# Altium PCB R100.230.030.001-00 ControlVR.PcbDoc (part 3 of 5)
Units mm, origin at the board's own origin, x right, y up, seen from the top; angles counter-clockwise.
Board outline 150 x 170 mm, 2 copper layers (Top, Bottom), stack 1.571 mm thick; 497 components, 319 nets, 1589 pads, 832 vias.
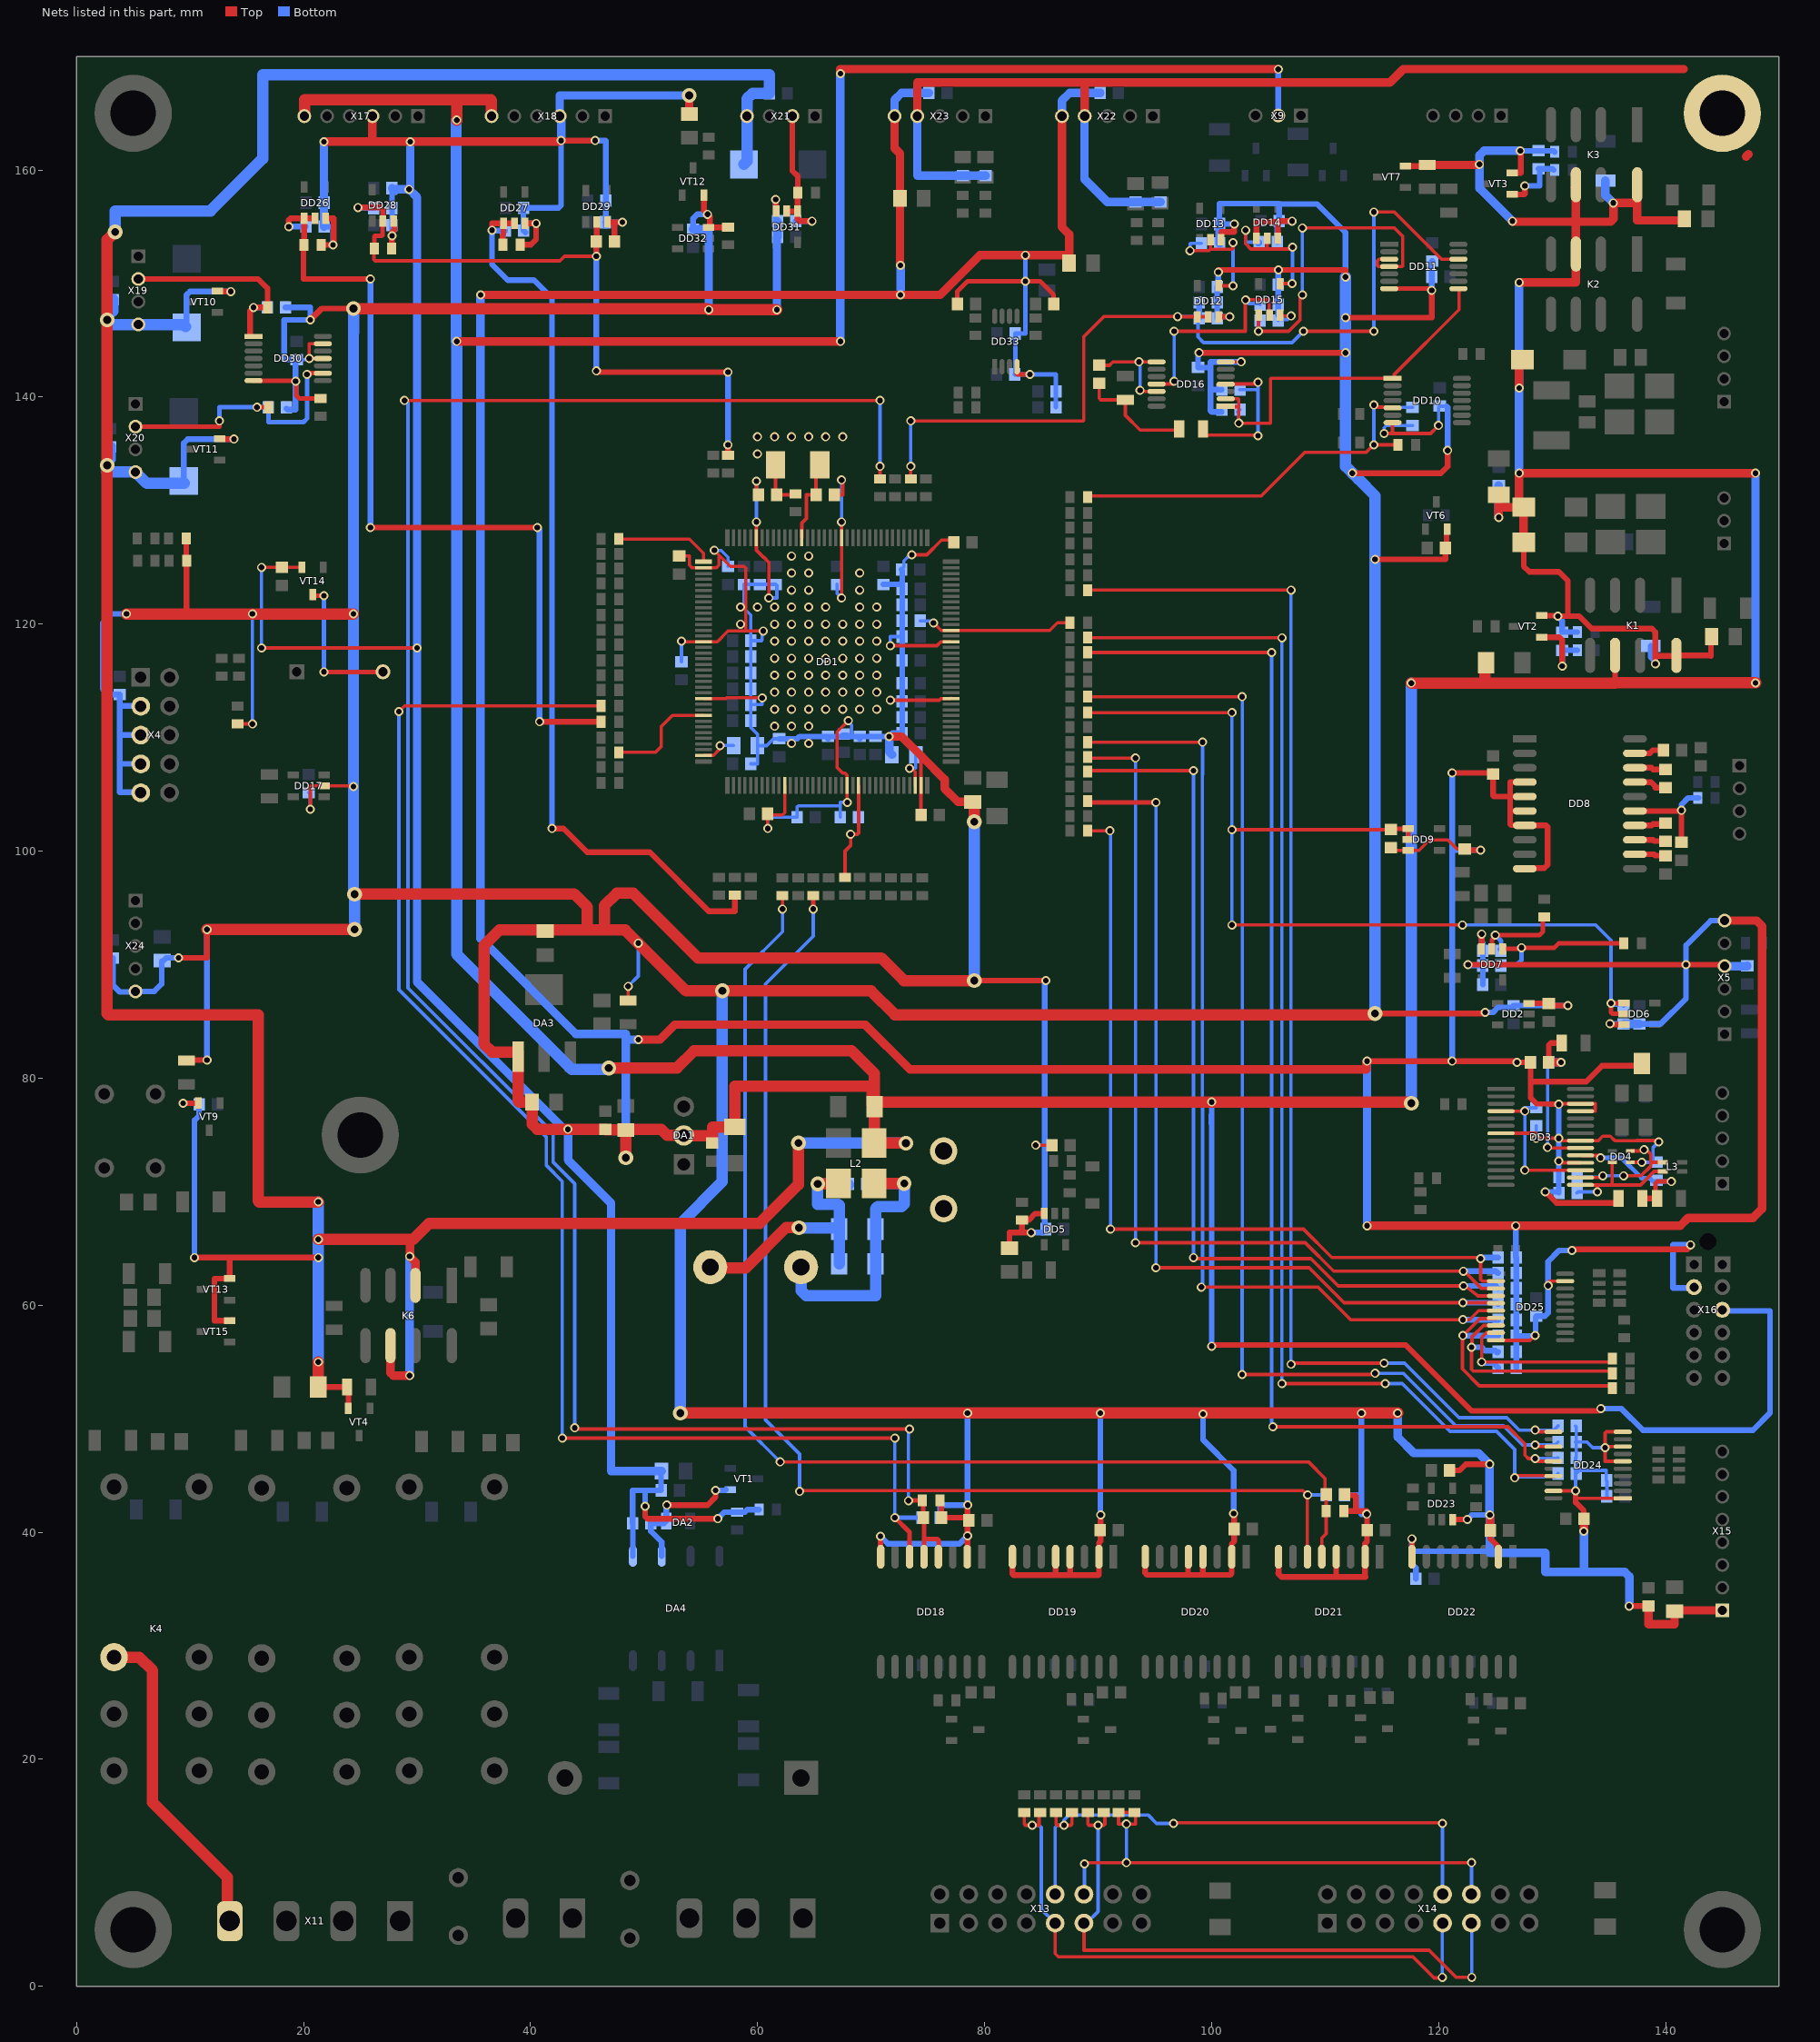
[diagram p3: the nets of this part, all layers, seen from the top]

## Via types
v1: diameter 0.8/0.8 (per signal layer), hole 0.5, Top to Bottom, 787 vias
v2: diameter 1.3, hole 0.7, Top to Bottom, 40 vias
v3: diameter 0.8/0.6 (per signal layer), hole 0.5, Top to Bottom, 4 vias
v4: diameter 0.8/0.9 (per signal layer), hole 0.5, Top to Bottom, 1 vias

## Nets (pads, with @x,y where several pads share a name; then routed paths per layer and width w, separated by ;. In a path a pad name is that pad's centre, name@x,y a point inside that pad or via, vN(x,y) a via of type N, cw(c..) or ccw(c..) an arc to the next point about the centre after c; other vN are vias at no path point) (continued)
GND_C: C1.2 C2.2 C3.1 C4.2 C5.2 C6.2 C7.2 C8.2 C9.2 C10.2 C11.2 C12.2 C13.2 C14.2 C15.2 C16.2 C17.2 C18.2 C19.2 C20.2 C21.2 C25.1 C26.1 C27.1 C28.2 C29.1 C30.2 C31.2 C32.1 C33.1 C34.1 C35.1 C36.2 C37.2 C38.1 C39.1 C40.1 C41.1 C42.2 C43.2 C44.1 C45.1 C46.1 C47.2 C48.1 C49.2 C50.1 C51.1 C52.2 C56.1 C60.2 C61.1 C62.1 C63.1 C64.1 C65.1 C66.1 C67.1 C68.1 C69.1 C70.2 C71.1 C72.1 C73.1 C74.2 C75.2 C76.2 C77.2 C78.2 C79.2 C81.2 C82.2 C83.2 C84.1 C85.1 C86.1 C87.1 C88.1 C89.1 C90.1 C91.2 C93.1 C94.1 C95.1 C96.1 C99.1 C101.1 C102.1 C104.1 C106.1 C107.2 C108.2 C109.2 C111.1 C112.1 C113.2 C114.1 C115.1 C116.2 C117.2 C118.2 C119.2 C120.2 C121.2 C122.2 C123.2 C124.1 C125.1 C126.1 C127.1 C128.1 C129.1 C130.1 C131.1 C132.1 C133.1 C134.1 C135.1 C136.1 C137.1 C138.1 C139.1 C140.1 C141.2 C142.2 C143.1 C144.1 C145.1 C146.1 C147.2 C148.2 C149.2 C150.1 C151.2 C152.2 C153.2 C154.1 C155.1 C156.2 C157.2 C158.2 C159.1 C160.2 C161.2 C162.1 C163.2 C164.2 C167.1 C168.1 C169.1 C170.1 C171.1 C172.1 C175.1 C176.1 C177.1 C178.1 C179.1 C180.1 C181.2 C182.2 DA1.2 DA3.1 DA4.5 DD1.16 DD1.31 DD1.38 DD1.51 DD1.61 DD1.83 DD1.94 DD1.107 DD1.120 DD1.130 DD2.3 DD3.7 DD3.18 DD3.21 DD3.25 DD3.26 DD4.4 DD5.3 DD6.3 DD7.3 DD8.4 DD8.5 DD8.6 DD8.7 DD8.10 DD9.3 DD10.7 DD11.7 DD12.3 DD13.3 DD14.1 DD14.3 DD15.3 DD16.7 DD17.2 DD18.2 DD18.8 DD19.2 DD19.4 DD19.5 DD19.8 DD20.2 DD20.4 DD20.5 DD20.8 DD21.2 DD21.4 DD21.8 DD22.2 DD22.8 DD23.3 DD24.1 DD24.6 DD24.8 DD24.10 DD24.19 DD25.10 DD25.19 DD26.3 DD27.3 DD28.3 DD29.3 DD30.7 DD30.11 DD30.13 DD31.3 DD32.3 DD33.4 K1.6 K1.8 K2.3 K3.6 K3.8 K6.2 K6.6 L2.2 L4.2 R2.1 R5.2 R10.1 R20.1 R27.2 R31.1 R52.1 R60.1 R61.1 R67.1 R78.1 R91.1 R110.1 R139.1 R140.1 R142.1 R146.1 R153.1 R172.1 R177.1 VD6.2 VD9.2 VD10.1 VD11.2 VD12.2 VD14.2 VD16.2 VD17.1 VT2.2 VT3.2 VT4.2 VT6.2 VT7.2 VT9.2 VT10.2 VT11.2 VT12.2 VT13.2 VT14.2 VT15.2 X1.1 X1.2 X4.3 X4.5 X4.7 X4.9 X5.4 X5.6 X9.2 X15.1 X16.2B X16.3A X17.3 X17.6 X18.3 X18.6 X19.4 X20.4 X21.4 X22.5 X23.5 X24.5 | length 3079.4
  Top w0.28: C13.2@53.2,126 54,126 54,125.2 54.25,124.95 56.338,124.95 56.6,125.212 56.6,126.1 ; DD1.61@55.25,113.45 57.227,113.45 57.283,113.506 57.471,113.506 v1(60.406,113.506) v1@60.5,113.6 ; v1(56.2,126.5) 56.6,126.1 ; 58.95,119.4 58.95,124.95 58.8,125.1 57.6,125.1 56.6,126.1 ; v1(60.9,102) C35.1@60.9,103.3 61,103.2 62.2,103.2 62.4,103.4 DD1.83@62.4,105.8 ; v1(67.9,104.3) DD1.94@67.9,105.8 67.88,105.82 67.88,106.691 67.681,106.89 67.487,106.89 67.006,107.371 67.006,110.506 v1(68,111.5)
  Top w0.3: R31.1@14.2,111.225 15.475,111.225 v1(15.5,111.2) ; v1(16.3,117.9) 16.304,117.904 29.996,117.904 v1(30,117.9) ; v1(16.3,125) C177.1@18.1,125 VT14.2@19.85,125 ; v1(20.6,103.7) 20.6,105.7 20.65,105.75 DD17.2@21.8,105.75 24.35,105.75 v1(24.4,105.7) ; DD30.11@21.7,143.4 v1(20.5,143.4) 20.5,144.7 DD30.13@21.7,144.7 ; R2.1@48.6,86.85 48.65,86.9 48.6,86.95 v1(48.6,88.1) ; v1(53.3,118.5) 53.35,118.45 56.45,118.45 57.4,119.4 58.95,119.4 v1(60.5,119.4) ; v1(59.9,129) 59.9,126.508 60.504,125.904 60.533,125.904 61.004,125.433 61.004,122.304 v1(61,122.3) ; v1(59.9,132.6) 59.9,131.6 C2.2@60.1,131.4 ; C1.2@66.75,131.4 67.5,131.4 67.5,132.6 v1(67.4,132.7) ; v1(67.4,122.3) 67.4,128.9 v1(67.4,129) ; v1(71.7,113.3) 71.708,113.292 76.008,113.292 76.155,113.44 77.04,113.44 DD1.120@77.05,113.45 ; v1(71.7,118.1) 75.8,118.1 76.15,118.45 DD1.130@77.05,118.45 ; v1(73.6,126.1) 74.905,126.1 76.209,127.404 76.833,127.404 77.037,127.2 C11.2@77.3,127.2 ; C10.2@74.4,103.1 74.4,108.3 74.45,108.35 ; v1(84.5,74.1) C45.1@85.925,74.1 ; DD16.7@101.25,143.1 v1(102.6,143.1) ; DD15.3@106.025,147.275 106.15,147.15 v1(107,147.15) ; v1(115.2,136.8) 115.95,136.8 ; C61.1@115.8,100.3 116.025,100.075 DD9.3@117.325,100.075 118.275,100.075 119.2,101 120.8,101 121.6,100.2 C60.2@122.3,100.2 ; DD10.7@115.95,137.75 115.95,136.8 ; v1(120,137.5) 119.3,136.8 115.95,136.8 ; DD25.10@125.05,56.925 125.075,56.9 128.05,56.9 v1(128.5,57.35) ; DD3.7@125.5,75.15 128.55,75.15 128.6,75.1 v1(128.6,74.7) 128.604,74.704 130.596,74.704 v1(130.6,74.7) 130.8,74.5 DD3.21@132.5,74.5 134.063,74.5 134.457,74.894 135.123,74.894 135.212,74.806 135.417,74.601 135.436,74.601 135.537,74.5 137.463,74.5 137.467,74.504 139.296,74.504 v1(139.4,74.4) ; v1(129.65,61.725) 129.75,61.825 129.75,62.125 DD25.19@131.15,62.125 ; DD24.19@130.125,43.65 v1(132.075,43.65) ; v1(130.6,72.7) 130.6,72.6 130.65,72.55 DD3.18@132.5,72.55 ; v1(130.6,77.7) 130.9,77.7 130.95,77.75 DD3.26@132.25,77.75 ; 132.075,43 DD24.1@136.225,43 ; DD3.25@132.5,77.1 133.8,77.1 133.8,77.75 DD3.26@132.25,77.75 ; DD3.26@132.5,77.75 DD3.26@132.25,77.75 ; DD24.6@136.225,46.25 134.675,46.25 v1(134.675,47.45) ; DD24.8@136.225,47.55 134.775,47.55 v1(134.675,47.45) ; DD24.10@136.275,48.85 134.775,48.85 134.675,48.75 v1(134.675,47.45) ; DD4.4@137,72.6 v1(137.9,72.6)
  Top w0.4: DD30.7@15.6,141.45 19.4,141.45 v1@19.35,141.4 ; v1(19.3,141.4) v1@19.35,141.4 ; R146.1@21.5,139.875 19.625,139.875 19.35,140.15 v1@19.35,141.4 ; C164.2@77.6,148.2 77.6,149.3 78.5,150.2 v1(83.6,150.2) 84.9,150.2 86.1,149 C163.2@86.1,148.2 ; DD33.4@82.85,142.675 82.85,142.05 82.9,142 v1(84,142) ; DD11.7@115.7,149.55 119.45,149.55 119.4,149.5 v1(119.4,149.4)
  Top w0.5: v1(9,90.6) 11.5,90.6 v1(11.5,93.1) ; v1(9.4,77.8) VT9.2@10.75,77.8 ; R78.1@9.6,81.6 v1(11.5,81.6) ; R172.1@9.675,125.675 R177.1@9.675,127.55 ; R172.1@9.7,125.6 9.7,121 9.8,120.9 ; v1(10.4,64.2) 13.5,64.2 ; VT10.2@12.4,149.35 12.45,149.3 v1(13.6,149.3) ; VT11.2@12.6,136.35 12.65,136.3 v1(13.875,136.3) ; VT13.2@13.55,62.4 VT13.2@13.5,62.35 ; VT15.2@13.65,58.7 13.55,58.6 VT15.2@13.5,58.65 12.15,58.65 12.15,62.35 VT13.2@13.5,62.35 ; v1(20.6,146.8) 21.6,147.8 v2(24.4,147.8) ; C69.1@21.3,52.8 R61.1@23.85,52.8 23.95,52.7 VT4.2@23.95,50.9 ; v1(21.3,64.2) 13.5,64.2 ; R139.1@21.45,153.4 R139.1@21.575,153.4 v1(22.6,153.4) 22.65,153.45 22.65,155.75 DD26.3@21.95,155.75 ; R142.1@27.775,153.1 27.775,154.175 v1(27.8,154.2) 27.8,154.5 28,154.7 28,155.475 DD28.3@27.95,155.525 ; R140.1@39.1,153.425 40.025,153.425 40.5,153.9 v1(40.5,155.3) DD27.3@39.525,155.3 ; v1(42.7,162.6) v1(45.7,162.6) ; DD29.3@46.775,155.425 46.8,155.4 47.4,155.4 ; C145.1@47.4,153.7 47.4,155.4 ; v1(48.1,155.4) 47.4,155.4 ; v1(50.1,42.3) 50.1,41.4 50.3,41.2 v1(56.5,41.2) ; VT12.2@55.275,157.8 55.275,156.425 v1(55.6,156.1) 55.8,155.9 DD32.3@55.8,155 ; DD32.3@55.7,154.95 57.25,154.95 R153.1@57.3,155 ; DD31.3@61.6,156.4 v1(61.6,157.4) ; v1(70.825,39.65) 70.825,37.88 DD18.8@70.855,37.85 ; R91.1@76.075,42.8 76.2,42.675 C94.1@76.2,41.3 78.5,41.3 78.5,42.375 v1(78.525,42.4) ; DD18.2@78.475,37.85 78.5,37.875 v1(78.5,39.7) 78.5,41 78.475,41.025 78.625,41.175 C91.2@78.625,41.05 ; v2(79.1,88.6) v1(85.4,88.6) ; VD6.2@82.2,65.041 82.2,66.4 83.3,66.4 ; DD19.8@82.455,37.85 82.455,36.32 82.55,36.225 86.275,36.225 ; v1(84.1,66.4) 83.3,66.4 ; DD5.3@85.25,68.075 84.475,68.075 83.925,67.525 R27.2@83.3,67.525 83.3,66.4 ; DD19.5@86.265,37.85 86.265,36.235 86.275,36.225 ; DD19.4@87.535,37.85 87.535,36.285 87.475,36.225 ; v1(90.225,41.525) 90.225,40.225 C96.1@90.2,40.2 90.225,40.175 90.225,39.225 90.075,39.075 DD19.2@90.075,37.85 90.075,36.275 90.025,36.225 87.475,36.225 ; DD20.8@94.155,37.85 94.155,36.42 94.325,36.25 97.925,36.25 ; DD20.5@97.965,37.85 97.925,37.81 97.925,36.25 ; v1@98.8,144 98.9,143.9 v1(111.8,143.9) ; DD20.4@99.235,37.85 99.225,37.84 99.225,36.25 ; v1(100,56.4) 100.104,56.504 117.096,56.504 122.9,50.7 132.314,50.7 132.318,50.696 134.096,50.696 v1(134.3,50.9) ; v1(100.6,151) 100.6,151.146 v1@100.65,151.196 ; v1@100.6,151.196 v1@100.65,151.196 ; DD12.3@100.65,147.075 v1(101.6,147.075) ; DD13.3@100.85,153.875 100.85,154.55 102,154.55 v1(102,155.25) ; v1(101.95,41.65) v1@102,41.7 ; DD14.1@103.95,154 103.95,155.45 106,155.45 ; DD14.3@105.85,154 105.85,155.3 106,155.45 ; DD21.8@105.905,37.85 105.905,36.455 105.85,36.4 106.175,36.075 110.975,36.075 ; v1(107.1,155.5) 106.05,155.5 106,155.45 ; DD21.4@110.985,37.85 110.985,36.085 110.975,36.075 ; R110.1@111.65,41.875 112.725,41.875 ; C107.2@111.725,43.35 111.825,43.25 112.675,43.25 112.725,43.2 112.725,41.875 ; v1(111.8,147) 111.804,146.996 119.396,146.996 119.4,147 v1(119.4,149.4) ; v1(111.8,150.574) v1@111.8,150.648 ; v1@111.948,150.5 v1@111.8,150.648 ; v1(112.404,133.296) 120.196,133.296 120.8,133.9 v1(120.8,135.3) ; v1(113.7,81.5) v1(121.2,81.5) 126.8,81.5 v1(126.9,81.4) C38.1@128,81.4 ; v2(114.4,85.7) 124,85.7 v1(124.1,85.8) ; v1(114.4,125.7) 120.6,125.7 C130.1@120.6,126.7 ; VT7.2@117.1,160.35 118.9,160.35 R67.1@119,160.45 ; v1(117.65,39.425) 117.655,39.42 DD22.8@117.655,37.85 ; C130.1@120.7,126.7 120.7,128.325 VT6.2@120.75,128.375 ; C113.2@120.925,45.325 C113.2@120.925,45.4 ; C113.2@120.975,45.45 121.85,45.45 122.4,46 v1(124.5,46) ; v1(121.2,106.9) 124.4,106.9 C56.1@124.6,106.7 ; DD23.3@121.25,41.125 v1(122.525,41.125) ; C60.2@122.3,100.2 122.4,100.1 v1(123.7,100.1) ; v1(122.6,90) v1(141.8,90) 145.075,90 X5.4@145.2,89.875 ; DD7.3@123.75,91.4 123.8,91.45 v1(123.8,92.7) ; C111.1@124.55,40.175 124.55,39.425 125.275,38.7 DD22.2@125.275,37.85 ; C56.1@124.7,106.8 C56.1@124.6,106.7 ; 126.3,103.6 126.36,103.54 DD8.6@127.596,103.54 DD8.6@127.95,103.54 ; VT3.2@126.5,159.75 127.25,159.75 127.25,161.65 v1(127.2,161.7) ; VD11.2@127.5,127.2 127.5,125.1 128,124.6 130.6,124.6 131.4,123.8 131.4,120.8 131.5,120.7 ; DD8.7@127.9,102.3 126.4,102.3 126.3,102.4 126.3,104.81 ; DD2.3@127.95,86.6 C36.2@129.7,86.6 129.9,86.4 v1(131.4,86.4) ; DD8.7@127.95,102.27 129.47,102.27 129.6,102.14 129.6,98.8 129.3,98.5 DD8.10@128.2,98.5 ; DD8.5@127.95,104.81 DD8.5@127.596,104.81 126.3,104.81 ; DD8.4@127.95,106.08 DD8.4@127.596,106.08 126.3,106.08 126.3,104.81 ; C38.1@128.1,81.4 128.1,79.7 ; VT2.2@129.1,120.75 130.45,120.75 v1(130.5,120.7) 131.5,120.7 ; v1(129.4,70) 130.4,69 R20.1@135.85,69 ; v1(130.6,77.7) 128.65,77.75 128.1,78.3 128.1,79.7 ; v1(131.75,64.825) 131.85,64.925 137.476,64.925 137.48,64.921 141.921,64.921 142.189,65.189 v1(142.189,65.325) ; K3.6@131.9,158.5 K3.6@132.1,158.3 ; v1(132.075,43.65) 132.075,43 132.075,42.625 132.8,41.9 C124.1@132.8,41.2 ; v1(135.1,84.8) 135.175,84.725 DD6.3@136.325,84.725 ; 135.55,114.8 K1.6@135.55,117.25 ; R20.1@135.85,69.4 R20.1@135.85,69 ; R20.1@135.9,69 R20.1@135.85,69 ; v1(136.8,33.5) C115.1@138.5,33.5 ; L4.2@137.9,81.1 134.4,81.1 133,79.7 128.1,79.7 ; v1(139.1,116.5) 139.1,117.2 ; K1.8@140.9,117.2 139.1,117.2 ; K1.8@140.95,117.25 143.95,117.25 144,117.2 144,118.841 VD9.2@144.059,118.9 ; X15.1@144.825,33.125 X15.1@144.85,33.1 ; VT13.2@13.5,62.35 13.5,64.2 ; 86.275,36.225 87.475,36.225 ; 97.925,36.25 99.225,36.25 ; 99.225,36.25 101.65,36.25 101.775,36.375 DD20.2@101.775,37.85 101.775,38.975 102,39.2 C101.1@102,40.3 v1@102,41.7 ; v1@100.65,151.196 111.8,151.196 v1@111.8,150.648 ; v1@102,41.7 102.025,41.725 102.025,41.75 102,41.725 v1@102,41.7 ; 110.975,36.075 113.55,36.075 113.525,36.1 DD21.2@113.525,37.85 113.525,39 113.7,39.175 C104.1@113.7,40.2 113.7,41.575 v1(113.675,41.6) 113.675,41.875 112.725,41.875 ; C56.1@124.6,106.7 124.7,106.7 C56.1@124.8,106.8 124.8,104.9 124.89,104.81 126.3,104.81 ; 131.5,120.7 132.4,120.7 133.5,119.6 138.8,119.6 139.1,119.3 139.1,117.2
  Top w0.75: v1(21.8,162.5) 26.075,162.5 ; X17.3@26.075,164.75 26.075,162.5 ; K6.6@27.662,56.45 27.662,54.038 27.9,53.8 v1(29.35,53.8) ; 29.375,65.8 29.375,64.325 v1(29.35,64.3) 29.862,63.788 K6.2@29.862,61.75 K6.2@29.8,61.812 ; v1(33.5,144.9) v1(67.3,144.9) ; v1(35.6,149) v1(72.6,149) 76.1,149 79.6,152.5 v1(83.6,152.5) 87.45,152.5 C176.1@87.45,151.8 87.45,154.35 86.825,154.975 X22.5@86.825,164.75 ; v1(42.7,162.6) 42.6,162.5 v1(29.4,162.5) 26.075,162.5 ; v1(49.5,83.4) 51.4,83.4 52.721,84.721 69.479,84.721 73.429,80.771 113.629,80.771 113.629,81.429 v1(113.7,81.5) ; v2(53.975,166.575) 53.975,164.975 C160.2@54,164.95 ; v1(67.3,168.5) 67.3,168.9 105.85,168.9 v1(105.875,168.875) ; v1(71.6,110.1) 72.7,110.1 74.45,108.35 76.5,106.3 76.5,105.5 77.65,104.35 C3.1@78.95,104.35 ; X23.5@72.075,164.75 72.075,161.925 72.55,161.45 C170.1@72.55,157.5 72.55,151.6 v1(72.6,151.6) ; v1(113.7,67) v1(126.8,67) 141.3,67 142,67.7 147.7,67.7 148.5,68.5 148.5,93.4 148.017,93.883 X5.6@145.2,93.883 ; R67.1@119,160.45 123.55,160.45 v1(123.6,160.5) ; v1(124.525,41.525) 124.55,41.5 C111.1@124.55,40.175 ; C56.1@124.7,106.9 C56.1@124.8,106.8 ; v1(125.3,129.4) 125.3,130.3 ; C72.1@125.3,131.4 125.3,130.3 ; v1(126.5,155.5) 126.55,155.45 132.1,155.45 ; v1(127.1,140.8) VD14.2@127.1,143.2 ; v1(127.1,150.1) 132.1,150.1 K2.3@132.1,152.6 132.1,155.45 ; VD12.2@127.304,130.327 VD12.2@127.3,130.3 ; VD11.2@127.5,127.2 VD12.2@127.5,129.8 ; K3.6@132.1,158.3 132.1,155.45 ; v1(132.8,40.1) C124.1@132.8,41.2 ; K3.8@137.5,158.6 137.5,157.1 ; C115.1@138.5,33.5 138.5,31.9 140.8,31.9 C114.1@140.8,33.05 ; C114.1@141.1,33.125 X15.1@144.825,33.125 ; VD16.2@141.659,155.7 141.53,155.571 137.5,155.571 137.5,157.1 ; v1(147.925,133.3) v1(127.1,133.3) VD12.2@127.1,130.3 ; 125.3,130.3 VD12.2@127.1,130.3 ; VD12.2@127.1,130.3 VD12.2@127.3,130.3 ; VD12.2@127.1,130.3 127.1,130.2 VD12.2@127.5,129.8 ; VD12.2@127.3,130.3 VD12.2@127.5,130.3 VD12.2@127.5,129.8 ; 132.1,155.45 135.15,155.45 135.4,155.7 v1(135.4,157.1) 137.5,157.1
  Top w1: v2(3.4,154.55) 2.7,153.85 v2(2.7,146.8) 2.704,146.796 2.704,134.004 v2(2.7,134) 2.7,85.7 2.8,85.6 16,85.6 ; v1(4.4,120.9) 9.8,120.9 v1(15.5,120.9) v1(24.4,120.9) ; v1(11.5,93.1) v2(24.5,93.1) ; 16.004,85.596 16.004,69.196 16.1,69.1 v1(21.3,69.1) ; X17.6@20.067,164.75 20.1,164.783 20.1,166.2 33.7,166.2 ; C69.1@21.3,52.8 21.4,52.9 21.3,53 v1(21.3,55) ; v1(21.3,65.8) 29.375,65.8 29.65,65.8 31.075,67.225 60.2,67.225 63.6,70.625 v2(63.6,74.3) ; v2(24.4,147.8) 55.6,147.8 v1(55.7,147.7) v1(61.7,147.7) ; v2(24.5,96.2) 24.546,96.246 43.84,96.246 45,95.086 45,93.05 37.25,93.05 35.9,91.7 35.9,83 36.6,82.3 38.9,82.3 DA3.1@38.9,81.9 38.9,78 39,77.9 C30.2@40.15,77.9 40.15,75.95 40.6,75.5 v1(43.3,75.5) C29.1@46.6,75.5 46.65,75.45 C28.2@48.4,75.45 ; v1(33.5,164.4) 33.5,166 33.7,166.2 ; X18.6@36.567,164.75 36.567,166.133 36.5,166.2 33.7,166.2 ; 45.046,93.046 45.046,93.05 46.5,93.05 ; v2(46.9,80.9) 52.9,80.9 54.4,82.4 68.3,82.4 70.3,80.4 C27.1@70.3,77.5 ; v2(48.4,73) C28.2@48.4,75.45 ; v2(53.2,50.5) v1(78.5,50.5) v1(90.2,50.5) v1(113.2,50.5) v1(116.4,50.5) ; C25.1@56,74.3 56,74.95 53.51,74.95 DA1.2@53.5,74.96 52.04,74.96 51.5,75.5 48.45,75.5 C28.2@48.4,75.45 ; C25.1@56.05,74.35 56.05,75.7 C26.1@58,75.7 58,79.3 70.1,79.3 70.1,77.65 C27.1@70.275,77.475 ; v2(73.078,74.278) L2.2@70.275,74.278 C27.1@70.275,77.475 ; C3.1@78.9,104.3 79.1,104.1 v2(79.1,102.6) ; v2(79.1,88.6) 72.9,88.6 70.9,90.6 54.756,90.6 49.056,96.3 47.6,96.3 46.5,95.2 46.5,93.05 ; v2(114.4,85.7) 114.3,85.6 72.1,85.6 70,87.7 v2(56.9,87.7) 53.7,87.7 v1(49.5,91.9) 48.35,93.05 46.5,93.05 ; v2(117.6,77.8) 117.5,77.9 v1(100,77.9) 70.708,77.9 70.608,77.8 70.604,77.804 C27.1@70.3,77.5 ; v1(117.6,114.8) 124.1,114.8 ; C67.1@124.2,116.6 124.1,116.5 124.1,114.8 ; v1(147.925,114.825) 135.575,114.825 135.55,114.8 124.1,114.8 ; C27.1@70.275,77.475 C27.1@70.3,77.5
  Bottom w0.28: v1(56.2,126.5) 56.8,126.5 57.4,125.9 C99.1@57.4,125.1 ; C6.2@59.4,112.9 60.4,112.9 60.4,113.5 v1(60.406,113.506) v1@60.5,113.6 ; v1(60.9,102) 60.9,103 C102.1@63.5,103 63.5,103.9 63.6,104 67.3,104 ; C159.1@67.3,103 67.3,104 ; v1(67.9,104.3) 67.3,104.3 67.3,104 ; v1(68,111.5) 68,111.4 68.3,111.1 68.3,110.1
  Bottom w0.3: v1(15.5,111.2) v1(15.5,120.9) ; v1(16.3,117.9) v1(16.3,125) ; C161.2@19.4,143.3 20.5,143.3 v1(20.5,143.4) ; C88.1@20.45,105.15 20.6,105 v1(20.6,103.7) ; v1(48.6,88.1) 49.5,89 v1(49.5,91.9) ; C93.1@53.3,116.7 v1(53.3,118.5) ; C15.2@59.4,107.7 60,107.7 C14.2@60,109.3 ; v1(59.9,129) v1(59.9,132.6) ; v1(60.5,119.4) 60.4,119.3 60.4,118.6 60.35,118.55 C19.2@59.4,118.55 ; v1(61,122.3) 61.7,122.3 61.7,123.4 C20.2@61.6,123.5 C16.2@60.2,123.5 C17.2@58.8,123.5 58.8,121.4 59.4,120.8 C19.2@59.4,118.55 ; C4.2@61.9,109.9 61.4,109.9 60.8,109.3 C14.2@60,109.3 ; C12.2@67,123.5 67,122.7 v1(67.4,122.3) ; v1(67.4,129) v1(67.4,132.7) ; v1(71.7,113.3) 72.65,113.3 C18.2@72.75,113.2 ; v1(71.7,118.1) 71.7,118.9 C5.2@72.75,118.9 ; C8.2@72.7,124.8 72.9,125 72.9,125.563 73.437,126.1 v1(73.6,126.1) ; v1(84.5,74.1) 85.296,74.1 ; C74.2@105.875,146.75 105.875,147.2 106.225,146.85 106.7,146.85 v1(107,147.15) ; v1(115.2,136.8) 115.2,137.3 115.4,137.5 C66.1@117.7,137.5 ; v1(120,137.5) 120,139.1 C83.2@120.1,139.2 120.7,139.2 ; v1(128.5,57.35) v1@128.55,57.3 ; v1(128.6,74.7) C40.1@128.6,75.8 ; v1(132.075,43.65) C121.2@132.075,45.225 ; C120.2@132.075,46.55 C121.2@132.075,45.225 ; C119.2@132.075,47.95 132.125,47.9 C120.2@132.125,46.55 ; C118.2@132.075,49.35 132.125,49.3 C119.2@132.125,47.95 ; C119.2@132.175,47.95 133.075,47.95 133.575,47.45 v1(134.675,47.45) ; C117.2@134.825,43.175 134.825,44.5 134.775,44.55 134.775,45.45 132.4,45.45 C121.2@132.125,45.175 C121.2@132.075,45.225 ; v1(137.9,72.6) 138.8,72.6 138.904,72.704 138.904,73.904 v1(139.4,74.4) ; C19.2@59.4,118.55 C178.1@59.4,117.15 C179.1@59.4,115.7 C180.1@59.4,114.3 C6.2@59.4,112.9 C89.1@59.4,111.5 59.4,110.9 60,110.3 C14.2@60,109.3
  Bottom w0.4: v1(83.6,152.5) v1(83.6,150.2) 83.6,145.6 C171.1@82.7,145.6 82.7,142.025 C172.1@82.675,142 v1(84,142) 86.3,142 C168.1@86.3,140.5 C167.1@86.3,139.1
  Bottom w0.5: C181.2@3.2,90.6 3.2,88.2 3.8,87.6 X24.5@5.2,87.6 ; C46.1@3.6,113.8 2.8,113.8 2.3,114.3 2.3,120.1 3.1,120.9 v1(4.4,120.9) ; C46.1@3.8,113.8 3.8,112.8 ; X24.5@5.2,87.65 6.85,87.65 7.5,88.3 C182.2@7.5,90.3 ; X4.9@5.6,105.2 3.8,105.2 3.8,107.7 ; X4.7@5.66,107.69 3.81,107.69 3.8,107.7 ; X4.5@5.66,110.23 3.8,110.23 ; X4.3@5.7,112.8 3.8,112.8 ; C182.2@7.6,90.3 7.9,90.6 v1(9,90.6) ; v1(9.4,77.8) 10.7,77.8 C90.1@10.8,77.7 10.8,76.7 10.4,76.3 v1(10.4,64.2) v1@10.5,64.3 ; C151.2@9.45,132.625 9.45,135.95 9.8,136.3 v1(13.875,136.3) ; C147.2@9.7,146.125 9.7,149 10,149.3 v1(13.6,149.3) ; v1(11.5,81.6) v1(11.5,93.1) ; C149.2@18.4,147.9 20.6,147.9 v1(20.6,146.8) 18.3,146.8 18.3,143.3 C161.2@19.4,143.3 19.3,143.2 19.3,138.9 18.6,138.9 C153.2@18.5,139 ; C139.1@21.8,155.025 21.825,155 22.6,155 v1(22.6,153.4) ; v1(27.8,154.2) C141.2@27.8,155.15 C146.1@27.8,156.65 C143.1@27.8,158.4 ; C140.1@39.55,154.5 C140.1@39.375,154.675 39.375,155.3 ; v1(40.5,155.3) 39.375,155.3 ; v1(42.7,162.6) 42.696,162.596 42.696,156.896 42.475,156.675 C138.1@39.375,156.675 39.375,155.3 ; v1(45.7,162.6) 46.6,162.6 46.625,162.575 C144.1@46.625,157.3 C142.2@46.625,155.4 ; C142.2@46.6,155.4 C142.2@46.625,155.4 ; C142.2@46.625,155.05 C142.2@46.625,155.4 ; v1(48.1,155.4) C142.2@46.625,155.4 ; DA4.5@49.02,37.9 49.02,40.78 C32.1@49,40.8 49,43.7 50.1,43.7 ; v1(50.1,42.3) 50.1,43.7 ; C34.1@51.55,45.4 51.4,45.25 51.5,45.15 C33.1@51.5,43.7 50.1,43.7 ; C162.1@54.325,154.8 54.325,155.725 54.7,156.1 v1(55.6,156.1) ; v1(56.5,41.2) 57.075,41.775 R5.2@58.2,41.775 58.875,41.775 59.1,42 R10.1@60.125,42 ; v1(61.6,157.4) 61.6,155.675 C158.2@61.775,155.5 ; C4.2@61.9,109.9 63.5,109.9 63.7,110.1 C106.1@66.2,110.1 ; C106.1@66.2,109.9 66.4,110.1 67.4,110.1 67.5,110.2 C7.2@67.9,110.2 ; C7.2@67.6,110.1 68.3,110.1 C150.1@69,110.1 C150.1@69.2,110.1 ; C150.1@69,109.9 C150.1@69.2,110.1 ; v1(70.825,39.65) 71.479,38.996 77.796,38.996 v1(78.5,39.7) ; C9.2@71.1,123.5 72.55,123.5 72.75,123.7 ; C8.2@72.7,124.8 72.75,124.75 72.75,123.7 ; C95.1@76.1,41.3 76.1,42.3 76.2,42.4 v1(78.525,42.4) 78.5,42.425 v1(78.5,50.5) ; v1(84.1,66.4) 85.1,66.4 C44.1@85.4,66.7 85.296,66.804 85.296,74.1 85.296,88.496 v1(85.4,88.6) ; v1(90.2,50.5) 90.2,41.55 v1(90.225,41.525) ; v1@98.8,143.9 C81.2@98.8,142.6 99.85,142.6 99.9,142.65 ; v1@98.8,143.9 v1(98.9,143.9) ; v1(99.25,50.425) 99.25,48.15 101.95,45.45 v1(101.95,41.65) ; v1(100,56.4) 100.004,56.404 100.004,76.014 99.996,76.022 99.996,76.77 100,76.774 v1(100,77.9) ; C85.1@100.6,149.7 v1(100.6,151) ; C85.1@100.6,149.7 C85.1@100.5,149.7 C71.1@100.5,148.35 C77.2@100.5,146.95 100.625,147.075 v1(101.6,147.075) ; C79.2@100.9,138.7 100,138.7 99.9,138.8 99.9,140.6 ; C78.2@100.9,140.65 99.95,140.65 99.9,140.6 ; v1(102,155.25) C84.1@100.7,155.25 100.7,157.05 102.422,157.05 ; 102.426,157.046 102.422,157.05 ; v1(102.6,143.1) 99.9,143.1 99.9,142.65 ; C76.2@105.8,153.65 105.8,155.35 C86.1@105.95,155.5 ; C74.2@105.875,147.2 C75.2@105.875,148.15 C87.1@105.875,149.9 105.875,151.175 v1(105.9,151.2) ; X9.2@105.875,164.8 v1(105.875,168.875) ; v1(107.1,155.5) 107.25,155.5 C86.1@105.95,155.5 ; C108.2@111.725,43.3 113.2,43.3 ; v1(111.8,150.574) 111.8,154.5 109.3,157 105.95,157 ; v1(113.2,50.5) 113.2,43.3 ; v1(113.675,41.6) 113.2,41.6 113.2,43.3 ; v1(117.65,39.425) 117.65,38.325 ; C112.1@118,35.9 118,36.875 117.65,37.225 117.65,38.325 ; v1(119.4,149.4) 119.4,151.95 C82.2@119.45,152 ; 120.7,139.2 120.8,139.1 v1(120.8,135.3) ; v1(121.2,81.5) 121.196,81.504 121.196,100.1 ; v1(121.2,106.9) 121.196,106.896 121.196,100.1 ; v1(122.525,41.125) 122.925,41.525 v1(124.525,41.525) ; v1(122.6,90) 122.7,90 122.775,89.925 C51.1@123.9,89.925 ; v1(123.7,100.1) 121.196,100.1 ; v1(123.8,92.7) 123.8,92 123.9,91.9 C52.2@123.9,91.225 ; C49.2@123.9,88.25 C51.1@123.9,89.925 ; C52.2@123.9,91.4 C51.1@123.9,89.925 ; v1(124.1,85.8) 124.8,85.8 125.25,86.25 C37.2@126.6,86.25 ; 124.525,38.175 124.375,38.325 117.65,38.325 ; C37.2@126.6,86.15 C37.2@126.6,86.25 ; v1(126.8,67) 126.8,64.25 C129.1@126.85,64.2 C128.1@126.85,62.85 C127.1@126.85,61.5 C126.1@126.85,60.1 C125.1@126.85,58.7 C134.1@126.85,57.3 128.55,57.3 128.55,58.925 C133.1@128.65,59.025 ; C136.1@126.85,54.5 C135.1@126.85,55.9 126.85,57.125 C134.1@126.95,57.225 ; v1(126.9,81.4) C39.1@128.1,81.4 ; v1(127.2,161.7) 130.125,161.7 R60.1@130.225,161.6 ; C133.1@128.6,59.05 129.375,59.05 129.65,59.325 v1(129.65,61.725) 129.65,63.85 130.625,64.825 v1(131.75,64.825) ; v1(129.4,70) 130.5,70 C42.2@130.6,69.9 C43.2@130.6,71.3 v1(130.6,72.7) v1(130.6,74.7) ; v1(130.5,120.7) 130.9,120.3 C65.1@130.9,119.3 R52.1@132.225,119.3 ; v1@130.6,74.8 v1(130.6,77.7) ; v1(131.4,86.4) C37.2@126.6,86.4 C37.2@126.6,86.25 ; v1(134.3,50.9) 136.1,50.9 138,49 147.7,49 149.2,50.5 149.2,59.5 145.1,59.5 X16.3A@145,59.6 ; v1(135.1,84.8) 135.125,84.775 C48.1@136.3,84.775 ; C47.2@137.7,84.775 139.553,84.775 141.8,87.022 v1(141.8,90) 141.8,91.699 143.984,93.883 X5.6@145.2,93.883 ; VD10.1@138.7,118.075 138.7,117.1 139.1,116.7 v1(139.1,116.5) ; v1(142.189,65.325) 140.65,65.325 140.65,61.525 142.425,61.525 X16.2B@142.5,61.6 ; 3.8,107.7 3.8,110.23 ; 3.8,110.23 3.8,112.8 ; C150.1@69.2,110.1 C154.1@70.4,110.1 v1(71.6,110.1) 71.9,110.4 C131.1@72.75,110.4 C132.1@72.75,111.8 C18.2@72.75,113.2 C123.2@72.75,114.8 C122.2@72.75,116.8 C5.2@72.75,118.9 C63.1@72.75,120.3 C64.1@72.75,121.7 C62.1@72.75,123.1 72.75,123.7 ; 99.9,140.6 99.9,142.65 ; 102.422,157.05 105.9,157.05 105.95,157 ; C86.1@105.95,155.5 105.95,157